# Altium PCB Delay.PcbDoc (part 2 of 2)
Units mm, origin at the board's own origin, x right, y up, seen from the top; angles counter-clockwise.
Board outline 111 x 71.6 mm, 4 copper layers (Top Layer, Mid Layer 1, Mid Layer 2, Bottom Layer), stack 1.57 mm thick; 118 components, 112 nets, 439 pads, 441 vias.
Unrouted connection lines stored in the file: 4.
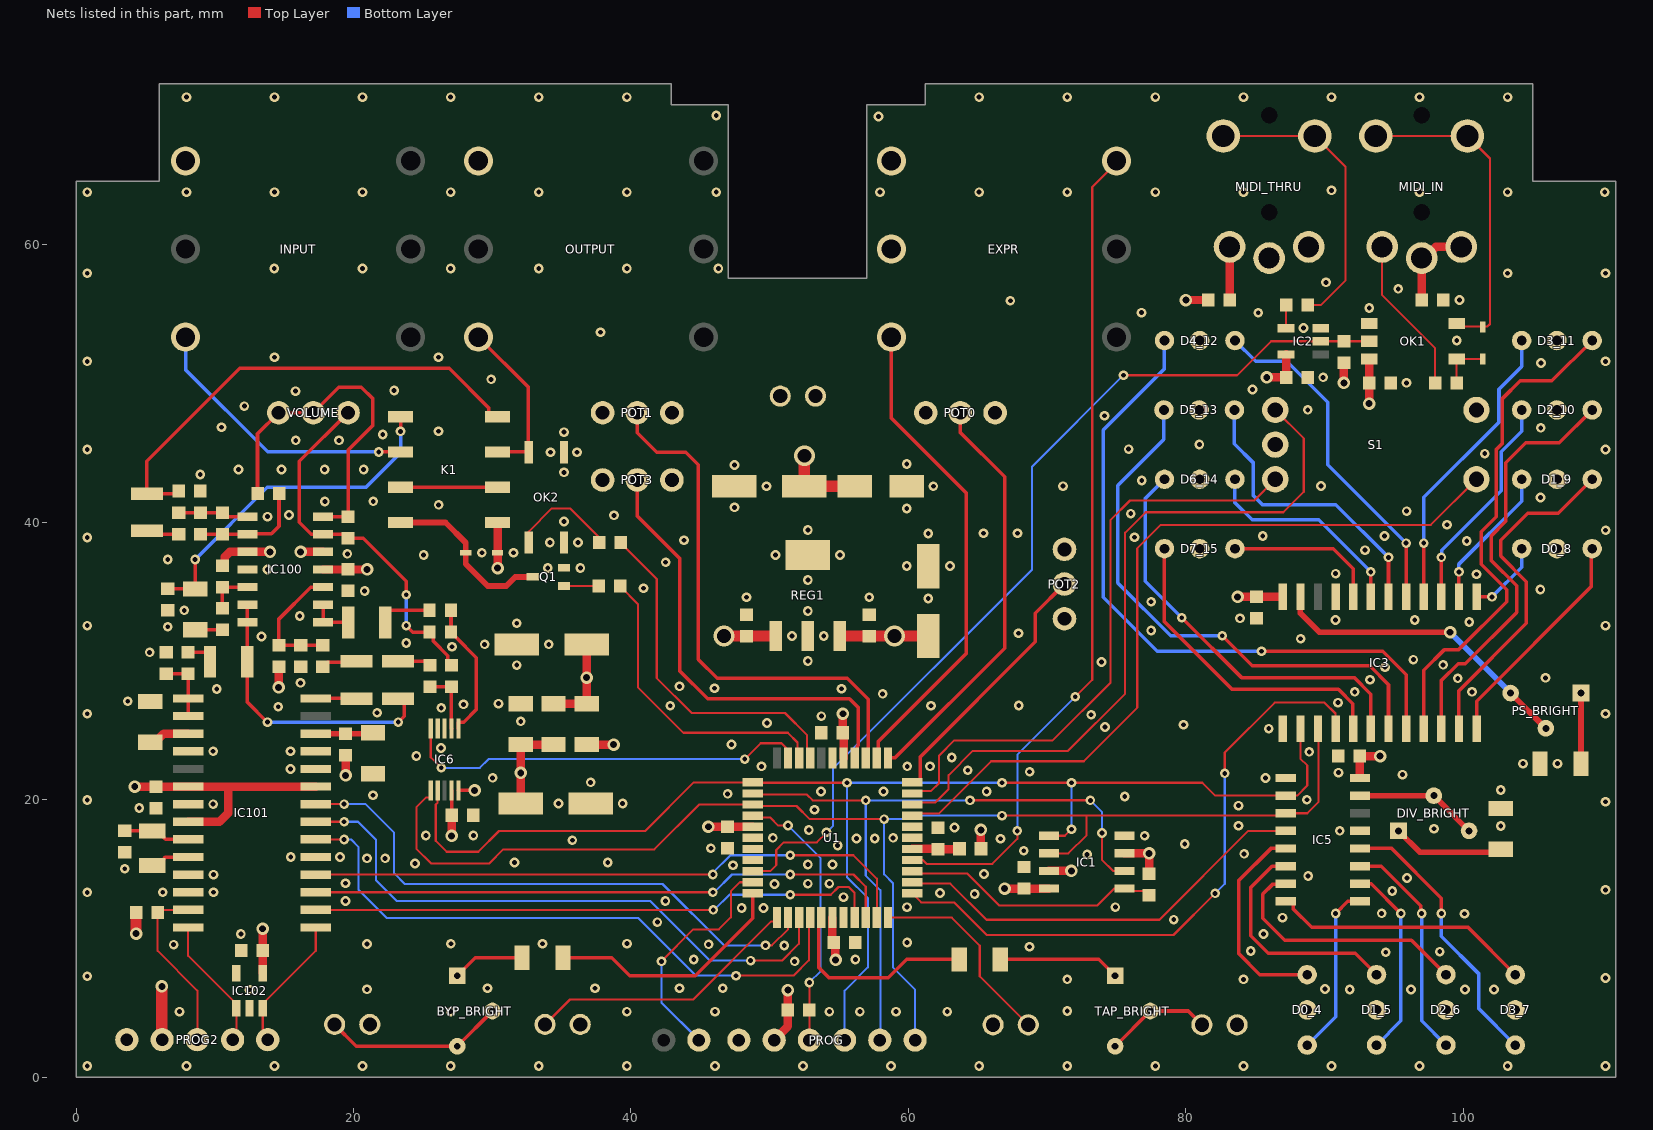
[diagram p4: the nets of this part, all layers, seen from the top]

## Via types
v1: diameter 0.7, hole 0.35, Top Layer to Bottom Layer, tented both sides, 354 vias
v2: diameter 0.7, hole 0.35, Top Layer to Bottom Layer, 54 vias
v3: diameter 0.9, hole 0.5, Top Layer to Bottom Layer, 30 vias
v4: diameter 1.5, hole 1, Top Layer to Bottom Layer, 3 vias

## Nets (pads, with @x,y where several pads share a name; then routed paths per layer and width w, separated by ;. In a path a pad name is that pad's centre, name@x,y a point inside that pad or via, vN(x,y) a via of type N, cw(c..) or ccw(c..) an arc to the next point about the centre after c; other vN are vias at no path point)
+3.3V: C3.1 C4.+ C5.1 C6.1 C7.1 C9.2 C11.1 C12.2 C13.1 C14.1 C105.1 C107.1 D0_4.2 D0_8.2 D1_5.2 D1_9.2 D2_6.2 D2_10.2 D3.1 D3_7.2 D3_11.2 D4_12.2 D5_13.2 D6_14.2 D7_15.2 EXPR.R IC1.3 IC1.7 IC1.8 IC2.5 IC3.24 IC5.16 IC101.6 IC101.8 IC101.23 IC102.4 K1.1 L1.2 OK1.6 POT0.3 POT1.3 POT2.3 POT3.3 PROG2.2 PROG.5 R4.2 R5.2 R7.1 R9.2 R104.2 R118.2 REG1.3 U1.5 U1.17 U1.38 | length 76.6
  Top Layer w0.152: v3@54.712,8.488 v3(54.75,8.45)
  Top Layer w0.508: R5.2@77.35,14.65 R5.2@77.35,14.65
  Top Layer w0.61: v3(4.225,20.95) C105.1@5.75,20.95 IC101.6@8.075,20.95 10.95,20.95 ; IC101.8@8.075,18.41 10.335,18.41 10.95,19.025 10.95,20.95 ; IC102.4@13.449,7.479 C107.1@13.449,9.125 v3(13.449,10.7) ; IC101.23@17.275,20.95 10.95,20.95 ; v3(19.425,21.75) R104.2@19.425,23.21 ; v3(30.386,36.7) D3.1@30.386,37.8 K1.1@30.386,39.99 ; v3(45.575,18.05) C6.1@46.95,18.05 U1.5@48.775,18.05 ; PROG.5@50.32,2.675 51.31,3.665 R4.2@51.31,4.85 v3@51.31,6.375 ; C7.1@54.525,9.7 U1.17@54.525,11.5 ; C7.1@54.625,9.7 54.712,9.613 v3@54.712,8.488 ; v3(55.275,26.2) 55.275,24.9 55.2,24.825 55.325,24.7 U1.38@55.325,23 ; L1.2@65.227,16.475 v3(65.227,17.825) ; v3@66.944,13.6 v3(66.937,13.594) 68.319,13.594 C9.2@68.325,13.6 68.33,13.595 IC1.8@70.125,13.595 ; IC1.7@70.125,14.865 v3(71.749,14.865) ; IC1.3@75.575,16.135 v3(77.349,16.135) R5.2@77.35,14.65 ; v3(80,56.025) R9.2@81.6,56.025 ; v3(83.729,34.625) C13.1@85.1,34.625 IC3.24@86.99,34.625 ; v3(85.835,50.45) C12.2@87.225,50.45 IC2.5@87.225,52.1 ; v3(91.395,50.05) 91.395,51.485 R7.1@91.41,51.5 ; IC5.16@92.55,21.565 C14.1@92.55,23.15 v3(94,23.15) ; v3(93.21,48.55) 93.21,50.035 C11.1@93.225,50.05 OK1.6@93.225,51.78
  Top Layer w0.813: v3(4.321,10.343) 4.321,11.871 R118.2@4.325,11.875 ; v3(6.175,6.55) 6.175,2.72 PROG2.2@6.195,2.7 ; REG1.3@55.05,31.8 C3.1@57.175,31.8 v4(59,31.8) C4.+@61.425,31.8
  other v3: 51.31,6.275
+9V: C1.+ C2.1 C15.1 D1.1 DC.1 IC6.9 R115.1 REG1.1 | length 14.8
  Top Layer w0.254: C15.1@27.063,18.885 IC6.9@27.063,20.675
  Top Layer w0.61: v3(27.063,17.4) C15.1@27.063,18.885 ; R115.1@36.804,23.975 v3(38.75,23.975)
  Top Layer w0.813: v4(46.7,31.8) C2.1@48.325,31.8 REG1.1@50.45,31.8 ; v4(52.5,44.8) C1.+@52.5,42.6 D1.1@56.125,42.6
A: IC6.1 R109.2 R110.1 | length 10
  Top Layer w0.254: R109.2@27.024,33.66 R110.1@27.024,32.085 27.024,32.06 27.347,31.737 28.85,30.234 28.85,26.5 27.945,25.595 27.586,25.595 27.563,25.572 IC6.1@27.563,25.125
AREF: U1.29
AVCC: C8.1 L1.1 U1.27 | length 3.4
  Top Layer w0.61: U1.27@60.275,16.45 62.1,16.45 C8.1@62.125,16.425 63.625,16.425 L1.1@63.675,16.475
B: IC6.2 R107.2 R108.1 | length 4.6
  Top Layer w0.254: R107.2@25.499,28.145 R108.1@27.059,28.145 27.059,25.129 IC6.2@27.063,25.125
BYP_FSW0: FSW.1 U1.12 | length 20
  Top Layer w0.152: FSW.1@33.8,3.8 35.6,5.6 44.475,5.6 50.086,11.211 50.301,11.211 50.525,11.435 U1.12@50.525,11.5
BYP_K0: R12.1 U1.42 | length 22.2
  Top Layer w0.152: R12.1@39.225,35.412 39.225,35.387 40.5,34.112 40.5,28.1 43.775,24.825 51.3,24.825 52,24.125 52,23.125 U1.42@52.125,23
BYP_LED0: R10.1 U1.11 | length 17.7
  Top Layer w0.254: R10.1@35.1,8.6 38.62,8.6 39.905,7.315 44.64,7.315 48.775,11.45 U1.11@48.775,13.25
BYP_OK0: R11.1 U1.41 | length 25.2
  Top Layer w0.152: R11.1@39.25,38.55 39.25,38.525 39.624,38.151 41.86,35.915 41.86,28.765 44.375,26.25 51.1,26.25 52.701,24.649 52.701,23.224 U1.41@52.925,23
DPOT_LE0: IC6.5 U1.43 | length 29.7
  Top Layer w0.152: IC6.5@25.563,25.125 25.563,23.061 v2(26.324,22.3) ; v2(48.203,22.925) 49.353,24.075 50.85,24.075 51.25,23.675 51.25,23.075 U1.43@51.325,23
  Bottom Layer w0.152: v2(26.324,22.3) 29.1,22.3 29.737,22.937 48.192,22.937 v2(48.203,22.925)
EEPR_LE0: IC1.1 R5.1 U1.25 | length 18.8
  Top Layer w0.152: U1.25@60.275,14.85 60.448,14.677 61.047,14.677 64.25,14.677 66.552,12.375 73.6,12.375 74.82,13.595 IC1.1@75.575,13.595 75.747,13.423 77.027,13.423 R5.1@77.35,13.1
EXPR0_P: EXPR.SN U1.26 | length 60.2
  Top Layer w0.152: U1.26@60.275,15.65 61.025,15.65 61.3,15.375 66.044,15.375 67.85,17.181 v2(67.85,17.755) ; v2(72.025,27.425) 73.25,28.65 73.25,64.175 75,65.925 EXPR.SN@75,65.95
  Bottom Layer w0.152: v2(67.85,17.755) 67.85,23.25 v2(72.025,27.425)
EXPR0_W: EXPR.T U1.35 | length 35.3
  Top Layer w0.254: U1.35@57.725,23 57.823,23.098 57.823,24.198 64.183,30.558 64.183,42.102 58.77,47.515 EXPR.T@58.77,53.35
FV1_P0: IC101.20 U1.15 | length 45
  Top Layer w0.152: IC101.20@17.275,17.14 v2(19.32,17.14) ; v2(47.577,7.315) 51.715,7.315 52.825,8.425 52.825,11.4 U1.15@52.925,11.5
  Bottom Layer w0.152: v2(19.32,17.14) 19.81,17.14 20.35,16.6 20.35,13.525 22.4,11.475 40.525,11.475 44.685,7.315 v2(47.577,7.315)
FV1_P1: IC101.21 U1.14 | length 43.1
  Top Layer w0.152: IC101.21@17.275,18.41 v2(19.32,18.41) ; v2(48.624,8.4) 50.885,8.4 52.1,9.615 52.1,11.475 U1.14@52.125,11.5
  Bottom Layer w0.152: v2(19.32,18.41) 20.315,18.41 21.625,17.1 21.625,14.18 23.105,12.7 41.4,12.7 45.7,8.4 v2(48.624,8.4)
FV1_P2: IC101.22 U1.13 | length 41.3
  Top Layer w0.152: IC101.22@17.275,19.68 v2(19.32,19.68) ; v2(49.695,9.5) 50.15,9.5 51.325,10.675 U1.13@51.325,11.5
  Bottom Layer w0.152: v2(19.32,19.68) 20.87,19.68 22.925,17.625 22.925,14.7 23.7,13.925 42.275,13.925 46.7,9.5 v2(49.695,9.5)
FV1_RST: IC101.13 PROG2.3 R118.1 | length 12.6
  Top Layer w0.152: IC101.13@8.075,12.06 6.06,12.06 R118.1@5.875,11.875 5.875,9.1 8.735,6.24 PROG2.3@8.735,2.7
FV1_S0: IC101.16 U1.19 | length 41.5
  Top Layer w0.152: IC101.16@17.275,12.06 v2(45.926,12.06) ; v2(51.485,13.15) 54.4,13.15 54.955,13.705 55.695,13.705 56.125,13.275 U1.19@56.125,11.5
  Bottom Layer w0.152: v2(45.926,12.06) 46.01,12.06 47.1,13.15 v2(51.485,13.15)
FV1_S1: IC101.17 U1.20 | length 42.8
  Top Layer w0.152: IC101.17@17.275,13.33 v2(45.9,13.33) ; v2(51.485,14.605) 56.045,14.605 56.925,13.725 U1.20@56.925,11.5
  Bottom Layer w0.152: v2(45.9,13.33) 46.005,13.33 47.28,14.605 v2(51.485,14.605)
FV1_S2: IC101.18 U1.21 | length 44.4
  Top Layer w0.152: IC101.18@17.28,14.605 v2(45.9,14.605) ; v2@51.65,16 56.025,16 57.725,14.3 U1.21@57.725,11.5
  Bottom Layer w0.152: v2(45.9,14.605) 45.9,14.725 47.175,16 v2(51.485,16)
GND: BYPLED.2 C1.- C2.2 C3.2 C4.- C5.2 C6.2 C7.2 C8.2 C9.1 C10.2 C11.2 C12.1 C13.2 C14.2 C15.2 C102.2 C103.1 C104.2 C105.2 C106.2 C107.2 C109.2 C115.- C116.- C117.2 D1.2 DC.2 EXPR.S FSW.2 IC1.4 IC2.3 IC3.1 IC3.21 IC5.1 IC5.13 IC6.3 IC6.4 IC100.11 IC101.4 IC101.7 IC101.11 IC101.12 IC101.19 IC101.24 IC101.25 IC102.2 IC102.5 INPUT.S MIDI_THRU.S OK1.4 OK2.3 OK2.4 OUTPUT.S POT0.1 POT1.1 POT2.1 POT3.1 PROG2.1 PROG.6 Q1.2 R13.1 R14.1 R100.1 R114.1 R117.1 REG1.2 S1.2 S1.5 TAPFSW.1 TAPLED.2 U1.6 U1.18 U1.28 U1.39
  other v1: 0.8,0.8 7.95,0.8 14.3,0.8 20.65,0.8 27,0.8 33.35,0.8 39.7,0.8 46.05,0.8 52.4,0.8 58.75,0.8 65.1,0.8 71.45,0.8 77.8,0.8 84.15,0.8 90.5,0.8 96.85,0.8 103.2,0.8 110.25,0.8 7.45,4.725 27,4.725 39.7,4.725 46.05,4.725 54.3,4.725 56.5,4.725 59.1,4.725 62.8,4.725 71.45,4.769 12.499,6.3 91.816,6.318 96.231,6.318 20.975,6.33 100.124,6.324 102.216,6.324 90.032,6.355 29.66,6.412 37.404,6.412 43.5,6.412 46.616,6.412 71.45,7.049 84.15,7.048 110.25,7.15 0.8,7.278 51.8,8.35 44.525,8.488 56.175,8.488 94.416,9.006 98.3,9.05 84.675,9.1 68.735,9.404 51.05,9.485 7.03,9.551 20.975,9.593 45.6,9.575 27.016,9.612 33.616,9.618 39.716,9.624 59.91,9.706 11.874,10.325 85.6,10.325 41.9,11.175 79.128,11.356 86.975,11.5 100.09,11.781 94.116,11.806 47.975,12.2 49.55,12.2 59.894,12.256 74.921,12.256 19.425,12.7 42.475,12.7 55.325,12.975 64.775,13.2 62.275,13.275 0.8,13.322 6.248,13.33 9.9,13.33 94.875,13.425 110.25,13.5 50.35,13.925 52.75,13.95 54.3,13.95 19.425,13.975 95.95,14.35 88.816,14.506 9.9,14.6 65.45,14.65 3.5,15.025 47.35,15.275 52.75,15.325 54.525,15.325 24.425,15.4 31.6,15.475 38.325,15.475 20.975,15.775 22.275,15.775 15.473,15.87 19.025,15.87 72.883,16.05 84.2,16.099 68.319,16.325 45.755,16.5 54.9,16.7 79.916,16.806 35.775,17.075 66.631,17.187 56.25,17.205 57.575,17.205 50.225,17.25 58.9,17.25 77.027,17.405 25.209,17.425 28.638,17.425 91.1,17.755 52.825,17.825 97.891,17.906 63.328,18 102.7,18.1 83.8,18.125 53.225,19.275 4.55,19.4 83.8,19.575 9.875,19.68 34.775,19.725 39.4,19.725 110.25,19.85 0.8,19.978 88.725,20 75.591,20.235 21.4,20.32 46.966,20.421 58.207,20.596 53.7,20.6 65.64,20.6 102.7,20.7 37.093,21.25 30.028,21.577 85.741,21.571 95.616,21.806 91,21.95 68.741,22.012 64.275,22.125 15.448,22.22 49.411,22.406 59.916,22.406 61.55,22.406 104.3,22.6 106.8,22.6 63.125,23.05 24.525,23.15 88.9,23.45 9.875,23.49 15.448,23.49 26.309,23.725 47.25,23.975 85.975,25.125 74.175,25.25 79.825,25.4 49.8,25.525 32.05,25.65 53.725,26.025 73.175,26.125 0.8,26.2 110.25,26.2 21.7,26.275 26.324,26.625 14.575,26.7 42.825,26.775 61.623,26.78 67.957,26.786 27.925,26.875 30.45,26.925 90.975,27 3.725,27.095 58.141,27.634 92.175,27.775 100.625,27.775 10.134,27.982 55.175,28 46.025,28.04 43.5,28.175 16.175,28.425 93.275,28.65 99.6,28.75 105.925,28.785 94.35,29.55 31.761,29.7 98.55,29.725 73.925,29.925 52.75,30 96.4,30.1 5.3,30.625 27.1,31.025 29.45,31.2 34.075,31.2 23.8,31.3 88.276,31.606 13.355,31.764 51.6,31.8 53.9,31.8 67.941,32.006 77.5,32.2 6.6,32.475 0.8,32.55 110.25,32.55 31.761,32.725 100.431,32.806 90.786,32.95 96.5,32.95 83.904,33.075 16.117,33.243 52.75,33.6 7.798,33.65 77.5,34.275 61.425,34.5 48.325,34.6 57.175,34.6 20.8,35.05 105.556,35.156 40.9,35.25 52.75,35.843 100.96,36.25 90.8,36.3 13.788,36.6 36.35,36.7 34,36.712 59.875,36.843 63,36.843 42.5,37.125 6.6,37.32 25.05,37.65 50.425,37.65 55.075,37.65 19.55,37.725 29.25,37.8 31.525,37.8 92.916,37.991 34.15,38.55 36.175,38.55 100.25,38.65 43.816,38.706 0.8,38.9 76.3,38.925 94.316,39.006 85.541,39.012 61.425,39.2 65.416,39.206 67.866,39.206 110.266,39.431 52.75,39.45 98.822,39.822 35.17,40.065 13.788,40.41 38.775,40.5 15.35,40.525 76.024,40.625 95.916,40.806 59.875,41 47.457,41.075 26.132,41.256 17.932,41.506 21.416,41.512 105.572,41.781 49.775,42.6 61.8,42.6 71.151,42.606 89.741,42.612 76.816,43.006 8.95,43.45 35.17,43.6 20.725,43.806 11.7,43.812 14.8,43.812 17.916,43.812 47.457,44.125 59.875,44.2 101.55,44.95 34.2,45.05 36.1,45.05 0.8,45.25 110.25,45.25 75.875,45.275 80.976,45.606 15.834,45.906 18.95,45.906 22.1,46.325 35.17,46.5 26.116,46.562 105.588,46.806 10.475,46.85 74.132,47.681 88.791,48.106 12.125,48.375 15.818,49.456 22.925,49.5 84.8,49.575 95.9,50.05 29.916,50.306 89.9,50.45 105.604,51.478 0.8,51.6 110.25,51.6 14.3,51.9 26.116,51.9 99.526,53.106 37.8,53.7 88.475,54 76.807,55.112 85.216,55.106 93.225,55.45 67.35,55.975 99.731,56.025 95.316,56.831 90.1,57.3 0.8,57.95 103.2,57.95 110.25,57.95 14.283,58.3 20.65,58.3 27,58.3 33.35,58.3 39.7,58.3 46.3,58.3 0.8,63.8 7.95,63.8 14.3,63.8 20.65,63.8 27,63.8 33.35,63.8 39.7,63.8 46.15,63.8 57.95,63.8 65.1,63.8 71.45,63.8 77.8,63.8 84.15,63.8 96.85,63.8 103.2,63.8 110.2,63.8 90.5,63.928 57.85,69.256 46.15,69.328 7.95,70.65 14.3,70.65 20.65,70.65 27,70.65 33.35,70.65 39.7,70.65 65.1,70.65 71.45,70.65 77.8,70.65 84.15,70.65 90.5,70.65 96.85,70.65 103.2,70.65
INPUT: INPUT.T K1.6 | length 20.8
  Top Layer w0.254: v2@21.612,45.074 21.812,44.874 21.812,45.07 K1.6@23.386,45.07
  Bottom Layer w0.254: INPUT.T@7.885,53.35 7.885,50.993 13.804,45.074 v2(21.812,45.074)
MISO: IC1.2 PROG.2 U1.2 | length 48.9
  Top Layer w0.152: U1.2@48.775,20.45 48.85,20.375 52.679,20.375 53.098,19.957 v2(56.925,19.957) ; v2(64.446,19.957) 64.451,19.962 73.111,19.962 v2(73.116,19.957) ; v2(73.95,17.599) 73.95,15.675 74.76,14.865 IC1.2@75.575,14.865
  Bottom Layer w0.152: PROG.2@57.94,2.675 57.975,2.71 57.975,13.475 56.925,14.525 v2(56.925,19.957) v2(64.446,19.957) ; v2(73.116,19.957) 73.95,19.123 v2(73.95,17.599)
MOSI: IC1.5 IC3.2 IC5.2 IC6.7 PROG.3 U1.1 | length 98.7
  Top Layer w0.152: IC6.7@26.063,20.675 26.063,19.794 25.925,19.656 25.925,17.038 26.713,16.25 28.987,16.25 30.487,17.75 41.025,17.75 44.525,21.25 U1.1@48.775,21.25 48.8,21.225 v2(55.575,21.225) ; v2(66.752,21.225) v2(71.749,21.225) 81.182,21.225 82.112,20.295 IC5.2@87.2,20.295 88.02,20.295 88.75,21.025 88.75,22.475 88.26,22.965 IC3.2@88.26,25.125 ; IC1.5@70.125,17.405 71.281,17.405 v2(71.749,17.874) v2@71.704,17.874
  Bottom Layer w0.152: PROG.3@55.4,2.675 55.4,6.237 57.075,7.912 57.075,12.923 55.575,14.423 v2@55.575,21.225 ; v2@55.68,21.245 55.7,21.225 v2@66.552,21.225 ; v2(71.749,17.874) v2(71.749,21.225)
NetBYP_BRIGHT_1: BYP_BRIGHT.1 R10.2 | length 5.2
  Top Layer w0.254: BYP_BRIGHT.1@27.473,7.309 28.764,8.6 R10.2@32.15,8.6
NetBYP_BRIGHT_2: BYP_BRIGHT.2 BYP_BRIGHT.3 BYPLED.1 | length 13.1
  Top Layer w0.254: BYPLED.1@18.63,3.8 20.201,2.229 BYP_BRIGHT.3@27.473,2.229 BYP_BRIGHT.2@30.013,4.769
NetC10_1: C10.1 MIDI_IN.S | length 6.2
  Top Layer w0.61: C10.1@97,56.025 MIDI_IN.S@97,59.05 97.212,59.05 98.012,59.85 MIDI_IN.S@99.85,59.85
NetC100_1: C100.1 R101.1 | length 2
  Top Layer w0.254: C100.1@8.578,32.25 R101.1@10.55,32.25
NetC101_1: C101.1 R103.1 | length 2.1
  Top Layer w0.254: R103.1@8.075,30.625 9.327,30.625 9.65,30.302 C101.1@9.65,29.95
NetC101_2: C101.2 C110.2 IC100.13 IC100.14 | length 20.7
  Top Layer w0.254: IC100.13@12.35,34.06 IC100.14@12.35,32.79 C101.2@12.35,29.95 12.35,27.034 v2(13.788,25.595) ; C110.2@23.2,27.285 23.327,27.285 23.65,26.962 23.65,26.02 v2(23.225,25.595)
  Bottom Layer w0.254: v2(13.788,25.595) v2(23.225,25.595) v2@23.252,25.595
NetC102_1: C102.1 IC101.1 IC101.2 R103.2 | length 4.6
  Top Layer w0.254: C102.1@6.5,29.075 R103.2@8.075,29.075 IC101.1@8.075,27.3 IC101.2@8.075,26.03
NetC103_2: C103.2 IC101.3 | length 3
  Top Layer w0.61: C103.2@5.35,24.135 5.675,24.135 6.3,24.76 IC101.3@8.075,24.76
NetC104_1: C104.1 IC101.9 Y100.1 | length 4.9
  Top Layer w0.254: C104.1@3.5,17.75 Y100.1@5.475,17.75 5.875,17.75 6.298,17.327 6.298,17.289 6.447,17.14 IC101.9@8.075,17.14
NetC106_1: C106.1 IC101.26 R104.1 | length 4.1
  Top Layer w0.406: IC101.26@17.275,24.76 R104.1@19.425,24.76 C106.1@21.4,24.76
NetC108_1: C108.1 R105.1 | length 2.6
  Top Layer w0.254: R105.1@17.773,29.6 18.096,29.923 20.163,29.923 C108.1@20.225,29.985
NetC108_2: C108.2 IC101.28 | length 3
  Top Layer w0.254: IC101.28@17.275,27.3 20.21,27.3 C108.2@20.225,27.285
NetC109_1: C109.1 IC100.3 R105.2 R106.1 | length 9.2
  Top Layer w0.254: R105.2@17.773,31.15 C109.1@16.198,31.15 R106.1@14.623,31.15 14.623,33.03 16.923,35.33 IC100.3@17.8,35.33
NetC110_1: C110.1 R107.1 | length 2.4
  Top Layer w0.254: C110.1@23.2,29.985 25.209,29.985 R107.1@25.499,29.695
NetC111_1: C111.1 R109.1 | length 3.9
  Top Layer w0.254: C111.1@22.3,32.79 22.3,33.337 22.623,33.66 R109.1@25.474,33.66
NetC111_2: C111.2 IC100.1 IC100.2 | length 3.1
  Top Layer w0.254: IC100.2@17.8,34.06 IC100.1@17.8,32.79 C111.2@19.6,32.79
NetC112_1: C112.1 IC100.7 R111.1 VOLUME.2 VOLUME.3 | length 25.4
  Top Layer w0.254: R111.1@13.075,42.075 13.075,46.375 VOLUME.3@14.6,47.9 VOLUME.2@17.1,47.9 18.94,49.74 20.56,49.74 21.4,48.9 21.4,47 19.6,45.2 C112.1@19.6,40.41 IC100.7@17.8,40.41
NetC112_2: C112.2 IC100.6 R108.2 R110.2 VOLUME.1 | length 26.9
  Top Layer w0.254: VOLUME.1@19.6,47.9 16.091,44.391 16.091,40.009 16.96,39.14 IC100.6@17.8,39.14 19.32,39.14 C112.2@19.6,38.86 20.7,38.86 23.8,35.76 v2(23.8,34.775) ; v2(23.8,32.55) 24.265,32.085 R110.2@25.474,32.085 25.76,31.799 25.76,31.415 26.798,30.377 26.798,29.956 R108.2@27.059,29.695
  Bottom Layer w0.254: v2(23.8,32.55) v2(23.8,34.775)
NetC113_1: C113.1 IC100.8 R112.2 R113.1 | length 5.1
  Top Layer w0.254: R113.1@7.4,40.7 R112.2@8.975,40.7 C113.1@10.55,40.7 10.84,40.41 IC100.8@12.35,40.41
NetC113_2: C113.2 IC100.9 R111.2 R112.1 | length 8.2
  Top Layer w0.254: R112.1@8.975,39.15 C113.2@10.55,39.15 10.56,39.14 IC100.9@12.35,39.14 12.392,39.182 14.082,39.182 14.625,39.725 R111.2@14.625,42.075
NetC114_2: C114.2 R113.2 | length 2.4
  Top Layer w0.254: C114.2@5.1,39.375 5.325,39.15 R113.2@7.4,39.15
NetD2_1: D2.1 OK1.1 R6.2 | length 3.6
  Top Layer w0.152: R6.2@99.525,50.05 OK1.1@99.525,51.78 99.53,51.775 D2.1@101.4,51.775
NetD2_2: D2.2 MIDI_IN.T OK1.3 | length 23.4
  Top Layer w0.152: MIDI_IN.T@93.7,67.85 MIDI_IN.T@100.3,67.85 101.925,66.225 101.925,54.3 101.739,54.114 99.731,54.114 OK1.3@99.525,54.32
NetD3_2: D3.2 K1.8 Q1.3 | length 12.6
  Top Layer w0.413: K1.8@23.386,39.99 26.622,39.99 28.086,38.526 D3.2@28.086,37.8 28.086,37.001 29.675,35.412 31.004,35.412 31.654,36.062 Q1.3@32.92,36.062
NetDIV_BRIGHT_1: DIV_BRIGHT.1 R14.2 | length 8.1
  Top Layer w0.406: DIV_BRIGHT.1@95.335,17.755 96.865,16.225 102.5,16.225 R14.2@102.7,16.425
NetDIV_BRIGHT_2: DIV_BRIGHT.2 DIV_BRIGHT.3 IC5.15 | length 8.9
  Top Layer w0.406: IC5.15@92.55,20.295 DIV_BRIGHT.2@97.875,20.295 DIV_BRIGHT.3@100.415,17.755
NetIC2_4: IC2.4 R8.1 | length 1.7
  Top Layer w0.152: IC2.4@87.225,54 R8.1@87.225,55.675
NetIC3_23: IC3.23 PS_BRIGHT.2 PS_BRIGHT.3 | length 22.3
  Top Layer w0.406: IC3.23@88.26,34.625 88.26,33.44 89.625,32.075 v3(99.05,32.075) ; PS_BRIGHT.3@103.41,27.69 PS_BRIGHT.2@105.95,25.15
  Bottom Layer w0.406: v3(99.05,32.075) 103.41,27.715 PS_BRIGHT.3@103.41,27.69
NetIC100_12: IC100.12 R101.2 R102.1 | length 3.3
  Top Layer w0.254: R101.2@10.55,33.8 R102.1@10.55,35.33 IC100.12@12.35,35.33
NetIC101_10: IC101.10 Y100.2 | length 2.9
  Top Layer w0.254: Y100.2@5.475,15.25 5.875,15.25 6.298,15.673 6.298,15.721 6.447,15.87 IC101.10@8.075,15.87
NetK1_2: K1.2 K1.7 | length 7
  Top Layer w0.254: K1.7@23.386,42.53 K1.2@30.386,42.53
NetMIDI_IN_R: MIDI_IN.R R6.1 | length 10.6
  Top Layer w0.152: MIDI_IN.R@94.15,59.1 94.15,56.374 97.975,52.549 R6.1@97.975,50.05
NetMIDI_THRU_R: MIDI_THRU.R R9.1 | length 3.8
  Top Layer w0.61: R9.1@83.15,56.025 MIDI_THRU.R@83.15,59.85
NetMIDI_THRU_T: MIDI_THRU.T R8.2 | length 21.4
  Top Layer w0.152: MIDI_THRU.T@82.7,67.85 MIDI_THRU.T@89.3,67.85 91.5,65.65 91.5,57.425 89.75,55.675 R8.2@88.775,55.675
NetOK2_1: OK2.1 R11.2 | length 7.8
  Top Layer w0.152: OK2.1@32.63,38.55 32.63,39.33 34.3,41 35.6,41 37.7,38.9 R11.2@37.7,38.55
NetPS_BRIGHT_1: PS_BRIGHT.1 R13.2 | length 5.1
  Top Layer w0.406: R13.2@108.49,22.6 PS_BRIGHT.1@108.49,27.69
NetQ1_1: Q1.1 R12.2 | length 2.5
  Top Layer w0.152: Q1.1@35.17,35.412 R12.2@37.675,35.412
NetR15_2: R15.2 TAP_BRIGHT.1 | length 8.8
  Top Layer w0.254: R15.2@66.615,8.488 73.721,8.488 TAP_BRIGHT.1@74.9,7.309
NetTAP_BRIGHT_2: TAP_BRIGHT.2 TAP_BRIGHT.3 TAPLED.1 | length 7.7
  Top Layer w0.254: TAP_BRIGHT.3@74.9,2.229 TAP_BRIGHT.2@77.44,4.769 80.161,4.769 TAPLED.1@81.155,3.775
OUTPUT: K1.3 OK2.6 OUTPUT.T | length 12
  Top Layer w0.254: OUTPUT.T@29,53.35 32.61,49.74 32.61,45.07 K1.3@30.386,45.07
P0_W: POT0.2 U1.34 | length 30
  Top Layer w0.254: U1.34@58.525,23 58.567,23.042 59.057,23.042 66.944,30.929 66.944,43.275 63.75,46.469 POT0.2@63.75,47.9
P1_W: POT1.2 U1.36 | length 38.6
  Top Layer w0.254: POT1.2@40.45,47.9 40.45,46.46 41.86,45.05 43.95,45.05 44.85,44.15 44.85,30.112 46.212,28.75 55.589,28.75 57.1,27.239 57.1,23.772 57.098,23.77 57.098,23.173 U1.36@56.925,23
P2_W: POT2.2 U1.33 | length 19.1
  Top Layer w0.254: U1.33@60.275,21.25 60.677,21.25 60.85,21.423 60.85,23.085 69.15,31.385 69.15,33.45 POT2.2@71.25,35.55
P3_W: POT3.2 U1.37 | length 32.7
  Top Layer w0.254: POT3.2@40.45,43.05 40.45,40.45 43.5,37.4 43.5,29.3 45.525,27.275 55.75,27.275 56.375,26.65 56.375,23.925 56.298,23.848 56.298,23.173 U1.37@56.125,23
PS_0: D0_8.1 IC3.12 | length 16.4
  Top Layer w0.254: IC3.12@100.96,25.125 100.96,27.11 109.218,35.368 109.218,38.028 D0_8.1@109.29,38.1
PS_1: D1_9.1 IC3.11 | length 24.8
  Top Layer w0.254: IC3.11@99.69,25.125 99.69,27.865 104.55,32.725 104.55,35.725 102.7,37.575 102.7,38.7 104.65,40.65 106.84,40.65 D1_9.1@109.29,43.1
PS_2: D2_10.1 IC3.10 | length 30.7
  Top Layer w0.254: IC3.10@98.42,25.125 98.42,28.595 99.625,29.8 100.15,29.8 103.85,33.5 103.85,35.425 102,37.275 102,39 103.075,40.075 103.075,44.3 104.5,45.725 106.915,45.725 D2_10.1@109.29,48.1
PS_3: D3_11.1 IC3.9 | length 36.5
  Top Layer w0.254: IC3.9@97.15,25.125 97.15,29.325 98.65,30.825 99.675,30.825 103.125,34.275 103.125,35.15 101.3,36.975 101.3,39.325 102.375,40.4 102.375,45.25 102.825,45.7 102.825,48.925 104.1,50.2 106.39,50.2 D3_11.1@109.29,53.1
PS_4: D4_12.1 IC3.8 | length 48.4
  Top Layer w0.254: v2(85.448,30.7) 94.2,30.7 95.88,29.02 IC3.8@95.88,25.125
  Bottom Layer w0.254: D4_12.1@78.46,53.1 78.46,51.06 74.05,46.65 74.05,34.6 77.95,30.7 v2(85.448,30.7)
PS_5: D5_13.1 IC3.7 | length 39.6
  Top Layer w0.254: v2(82.625,31.825) 84.8,29.65 93.25,29.65 94.61,28.29 IC3.7@94.61,25.125
  Bottom Layer w0.254: D5_13.1@78.42,48.1 78.42,45.97 75.1,42.65 75.1,35.625 78.9,31.825 v2(82.625,31.825)
PS_6: D6_14.1 IC3.6 | length 30
  Top Layer w0.254: v2(79.704,33.121) 84.015,28.81 92.145,28.81 93.34,27.615 IC3.6@93.34,25.125
  Bottom Layer w0.254: D6_14.1@78.46,43.1 77.075,41.715 77.075,35.75 v2(79.704,33.121)
PS_7: D7_15.1 IC3.5 | length 23.1
  Top Layer w0.254: D7_15.1@78.46,38.1 78.46,32.84 83.325,27.975 91,27.975 92.045,26.93 92.045,25.15 IC3.5@92.07,25.125
PS_8: D7_15.3 IC3.20 | length 11.2
  Top Layer w0.254: D7_15.3@83.54,38.1 90.625,38.1 92.07,36.655 IC3.20@92.07,34.625
PS_9: D6_14.3 IC3.19 | length 15.3
  Top Layer w0.254: v2(93.325,36.425) 93.34,36.41 IC3.19@93.34,34.625
  Bottom Layer w0.254: D6_14.3@83.54,43.1 83.54,41.41 84.775,40.175 89.575,40.175 v2(93.325,36.425)
PS_10: D5_13.3 IC3.18 | length 21.2
  Top Layer w0.254: IC3.18@94.61,34.625 v2(94.61,37.475)
  Bottom Layer w0.254: D5_13.3@83.5,48.1 83.5,45.65 84.875,44.275 84.875,41.925 85.525,41.275 90.81,41.275 v2(94.61,37.475)
PS_11: D4_12.3 IC3.17 | length 24.9
  Top Layer w0.254: IC3.17@95.88,34.625 v2(95.88,38.5)
  Bottom Layer w0.254: D4_12.3@83.54,53.1 85.04,51.6 87.275,51.6 90.225,48.65 90.225,44.155 v2(95.88,38.5)
PS_12: D3_11.3 IC3.16 | length 21.4
  Top Layer w0.254: IC3.16@97.15,34.625 v2(97.15,38.5)
  Bottom Layer w0.254: v2(97.15,38.5) 97.15,41.8 102.575,47.225 102.575,49.6 104.21,51.235 D3_11.3@104.21,53.1
PS_13: D2_10.3 IC3.15 | length 15.9
  Top Layer w0.254: IC3.15@98.42,34.625 v2(98.42,37.475)
  Bottom Layer w0.254: v2(98.42,37.475) 98.435,37.49 98.435,37.985 102.725,42.275 102.725,45.075 104.21,46.56 D2_10.3@104.21,48.1
PS_14: D1_9.3 IC3.14 | length 10.3
  Top Layer w0.254: IC3.14@99.69,34.625 v2(99.69,36.425)
  Bottom Layer w0.254: v2(99.69,36.425) 99.69,36.99 104.21,41.51 D1_9.3@104.21,43.1
PS_15: D0_8.3 IC3.13 | length 5.5
  Top Layer w0.254: IC3.13@100.96,34.625 v2(102.07,34.625)
  Bottom Layer w0.254: v2(102.07,34.625) 104.21,36.765 D0_8.3@104.21,38.1
PS_ENC_A: S1.1 U1.32 | length 43.6
  Top Layer w0.152: U1.32@60.275,20.45 60.44,20.615 61.615,20.615 62.2,21.2 62.2,23.175 63.3,24.275 70.4,24.275 74.575,28.45 74.575,40.175 75.975,41.575 84.925,41.575 S1.1@86.45,43.1
PS_ENC_B: S1.3 U1.31 | length 51.7
  Top Layer w0.152: U1.31@60.275,19.65 60.425,19.8 61.925,19.8 62.9,20.775 62.9,21.775 64.65,23.525 71.5,23.525 75.625,27.65 75.625,39.25 77.1,40.725 87.025,40.725 88.5,42.2 88.5,46.05 S1.3@86.45,48.1
PS_ENC_SW: S1.4 U1.30 | length 57.5
  Top Layer w0.152: U1.30@60.275,18.85 60.425,19 62.185,19 65.96,22.775 72.64,22.775 76.5,26.635 76.5,38.125 78.191,39.816 97.666,39.816 S1.4@100.95,43.1
PS_LE0: IC3.4 U1.23 | length 45.7
  Top Layer w0.152: U1.23@60.275,13.25 60.925,12.6 63.29,12.6 65.64,10.25 79.112,10.25 v2(82.112,13.25) ; v2(82.808,21.9) 82.808,23.4 86.408,27 90,27 90.786,26.214 90.786,25.139 IC3.4@90.8,25.125
  Bottom Layer w0.152: v2(82.112,13.25) 82.808,13.946 v2(82.808,21.9)
RESET: PROG.4 R4.1 U1.4 | length 19.8
  Top Layer w0.152: U1.4@48.775,18.85 48.9,18.725 50.025,18.725 50.615,18.135 v2(51.325,18.135) ; PROG.4@52.86,2.675 R4.1@52.86,4.85 v2(52.86,6.83)
  Bottom Layer w0.152: v2(51.325,18.135) 53.675,15.785 53.675,7.645 v2(52.86,6.83) v2@52.75,6.94
RETURN: C114.1 K1.4 R114.2 | length 34.4
  Top Layer w0.254: R114.2@7.4,42.25 7.225,42.075 C114.1@5.1,42.075 5.1,44.4 11.8,51.1 26.896,51.1 29.754,48.242 29.754,47.883 30.027,47.61 K1.4@30.386,47.61
RX0: IC2.2 OK1.5 R7.2 U1.9 | length 67.7
  Top Layer w0.152: U1.9@48.775,14.85 50.04,14.85 50.475,15.285 50.475,16.375 51.025,16.925 53.398,16.925 v2@54.1,17.627 ; v2(75.5,50.6) 83.7,50.6 86.15,53.05 IC2.2@89.725,53.05 R7.2@91.41,53.05 OK1.5@93.225,53.05
  Bottom Layer w0.152: v2(54.1,17.652) v2(54.1,17.652) 54.55,18.1 54.55,22.225 68.919,36.594 68.919,44.019 v2(75.5,50.6)
SCK: IC1.6 IC3.3 IC5.3 IC6.6 PROG.1 U1.3 | length 100
  Top Layer w0.152: IC6.6@25.563,20.675 25.563,20.245 25.489,20.171 25.246,20.171 24.525,19.45 24.525,16.475 25.6,15.4 29.775,15.4 30.8,16.425 41.675,16.425 44.9,19.65 U1.3@48.775,19.65 48.878,19.547 51.928,19.547 52.876,18.599 v2(58.25,18.599) ; v2@66.552,18.85 v2(66.752,18.85) 72.85,18.85 ; IC1.6@70.125,16.135 71.535,16.135 72.85,17.45 72.85,18.85 ; IC3.3@89.53,25.125 89.575,25.08 89.575,19.85 88.75,19.025 IC5.3@87.2,19.025 87.025,18.85 72.85,18.85
  Bottom Layer w0.152: PROG.1@60.48,2.675 60.48,6.308 58.875,7.913 58.875,14 58.25,14.625 v2(58.25,18.599) 60.17,18.599 60.421,18.85 v2(66.752,18.85)
SCL: IC101.14 IC102.1 PROG2.4 | length 9.6
  Top Layer w0.152: IC101.14@8.075,10.79 8.075,8.753 11.549,5.279 IC102.1@11.549,4.979 11.549,2.974 PROG2.4@11.275,2.7
SDA: IC101.15 IC102.3 PROG2.5 | length 9.8
  Top Layer w0.152: PROG2.5@13.815,2.72 13.815,2.912 13.449,3.278 IC102.3@13.449,4.979 13.449,5.279 17.275,9.105 IC101.15@17.275,10.79
SEND: C100.2 K1.5 R100.2 | length 24.6
  Top Layer w0.254: R100.2@6.6,35.2 C100.2@8.578,35.2 v2(8.578,37.32) ; v2(23.386,46.556) K1.5@23.386,47.61
  Bottom Layer w0.254: v2(8.578,37.32) 13.788,42.53 20.9,42.53 23.386,45.016 v2@23.386,46.431
TAP_0: D0_4.1 IC5.5 | length 15.2
  Top Layer w0.254: IC5.5@87.2,16.485 86.135,16.485 83.8,14.15 83.8,8.925 85.335,7.39 D0_4.1@88.75,7.39
TAP_1: D1_5.1 IC5.6 | length 16.9
  Top Layer w0.254: IC5.6@87.2,15.215 86.215,15.215 84.675,13.675 84.675,10.188 85.938,8.925 92.215,8.925 D1_5.1@93.75,7.39
TAP_2: D2_6.1 IC5.7 | length 18.6
  Top Layer w0.254: IC5.7@87.2,13.945 87.148,13.893 86.243,13.893 85.55,13.2 85.55,11.45 87.125,9.875 96.265,9.875 D2_6.1@98.75,7.39
TAP_3: D3_7.1 IC5.8 | length 18.9
  Top Layer w0.254: IC5.8@87.2,12.675 87.555,12.675 87.728,12.502 87.728,12.147 89.075,10.8 100.34,10.8 D3_7.1@103.75,7.39
TAP_4: D0_4.3 IC5.9 | length 12.5
  Top Layer w0.254: v2(90.8,11.8) 91.675,12.675 IC5.9@92.55,12.675
  Bottom Layer w0.254: D0_4.3@88.75,2.31 90.8,4.36 v2(90.8,11.8)
TAP_5: D1_5.3 IC5.10 | length 14.1
  Top Layer w0.254: IC5.10@92.55,13.945 93.355,13.945 v2(95.5,11.8)
  Bottom Layer w0.254: D1_5.3@93.75,2.31 95.5,4.06 v2(95.5,11.8)
TAP_6: D2_6.3 IC5.11 | length 16.4
  Top Layer w0.254: IC5.11@92.55,15.215 94.085,15.215 96.937,12.363 96.937,11.863 v2(97,11.8)
  Bottom Layer w0.254: v2(97,11.8) 97,4.06 D2_6.3@98.75,2.31
TAP_7: D3_7.3 IC5.12 | length 20.2
  Top Layer w0.254: IC5.12@92.55,16.485 94.84,16.485 98.42,12.905 v2(98.42,11.8)
  Bottom Layer w0.254: v2(98.42,11.8) 98.42,10.155 101.1,7.475 101.1,4.96 D3_7.3@103.75,2.31
TAP_FSW0: TAPFSW.2 U1.22 | length 14.6
  Top Layer w0.152: U1.22@58.525,11.5 63.125,11.5 65.14,9.485 65.14,7.275 TAPFSW.2@68.64,3.775
TAP_LE0: IC5.4 U1.24 | length 30.7
  Top Layer w0.152: U1.24@60.275,14.05 60.375,13.95 63.025,13.95 65.625,11.35 78.1,11.35 84.505,17.755 IC5.4@87.2,17.755
TAP_LED0: R15.1 U1.16 | length 14.6
  Top Layer w0.254: U1.16@53.725,11.5 53.552,11.327 53.552,7.886 54.27,7.167 58.557,7.167 59.878,8.488 R15.1@63.665,8.488
TX0: U1.10 UART.1 | length 16.8
  Top Layer w0.152: v2(42.2,8.35) 44.5,10.65 46.325,10.65 47.2,11.525 47.2,13.4 47.85,14.05 U1.10@48.775,14.05
  Bottom Layer w0.152: v2(42.2,8.35) 42.2,5.375 UART.1@44.9,2.675
Vb: C116.+ IC6.10 IC100.5 IC100.10 R102.2 R106.2 R116.2 R117.2 | length 15
  Top Layer w0.152: v3(14.6,28.095) v3@14.623,28.118
  Top Layer w0.254: IC6.10@27.563,20.675 v3(28.725,20.675)
  Top Layer w0.601: v3(16.175,37.87) IC100.5@17.8,37.87
  Top Layer w0.61: R102.2@10.55,36.88 10.575,36.88 10.72,37.025 10.72,37.513 11.077,37.87 v3(13.975,37.87) ; v3@14.623,28.118 R106.2@14.623,29.6 ; C116.+@32.05,19.725 R117.2@32.05,23.975 R116.2@34.42,23.975
  other v3: 32.05,21.94
Vr: C115.+ C117.1 IC100.4 R115.2 R116.1 | length 9.8
  Top Layer w0.601: IC100.4@17.8,36.6 C117.1@19.6,36.6 v3(20.975,36.6)
  Top Layer w0.61: R116.1@34.42,26.925 R115.2@36.804,26.925 v3(36.804,28.808) C115.+@36.804,31.2
XTAL1: U1.8
XTAL2: U1.7
pads on no net: EXPR.RN EXPR.TN IC2.1 IC3.22 IC5.14 IC6.8 IC101.5 IC101.27 INPUT.R INPUT.RN INPUT.SN INPUT.TN MIDI_IN. MIDI_THRU. OUTPUT.R OUTPUT.RN OUTPUT.SN OUTPUT.TN U1.40 U1.44 UART.2

## Polygon pours and split planes (outlines as drawn)
+3.3V on Mid Layer 2 "+3.3V_L03_P061" (solid, pour order 61): 2.5,57.4 56.991,57.4 56.991,63 102.114,63 102.114,55.443 108.175,55.443 108.175,3.648 86.501,3.648 86.501,5.575 2.5,5.575
Vb on Mid Layer 2 "Mid Layer 2-Vb" (solid, pour order 37): 23.7,18.389 33.27,18.389 33.27,28.65 18.437,28.65 18.437,38.86 11.375,38.86 11.375,24.7 23.7,24.7
Vr on Mid Layer 2 "Mid Layer 2-Vr" (solid, pour order 41): 33.27,25.694 38.241,25.694 38.241,35.074 26.622,35.074 26.622,38.85 18.7,38.85 18.7,28.905 33.27,28.905
+9V on Mid Layer 2 "Layer 2-No Net" (solid, pour order 55): 52.625,39.5 56.991,39.5 56.991,50.6 46.501,50.6 46.501,39.5 38.5,39.5 38.5,25.425 33.3,25.425 33.3,18.135 23.7,18.135 23.7,14.605 44.211,14.605 44.211,29.303 52.625,29.303
GND on Mid Layer 2 "GND_L03_P060" (solid, pour order 60): 56.991,70.1 61.2,70.1 61.2,71.6 105,71.6 105,64.6 111,64.6 111,0 0,0 0,64.6 6,64.6 6,71.6 42.9,71.6 42.9,70.1 47,70.1 47,57.675 2.5,57.675 2.5,5.3 86.249,5.3 86.249,3.414 108.175,3.414 108.175,55.443 102.114,55.443 102.114,63 56.991,63
GND on Mid Layer 1 "GND_L02_P054" (solid, pour order 54): 0,64.6 6,64.6 6,71.6 105,71.6 105,64.6 111,64.6 111,-3.4 0,-3.4
GND on Bottom Layer "GND_L04_P053" (solid, pour order 53): 0,0 0,64.6 6,64.6 6,71.6 105,71.6 105,64.6 111,64.6 111,0
GND on Top Layer "GND_L01_P052" (solid, pour order 52): 0,0 0,64.6 6,64.6 6,71.6 105,71.6 105,64.6 111,64.6 111,0

## Keep-outs
Keep-Out Layer:
  lines w0.1: 47,71.6 6,71.6 6,64.6 0,64.6 0,0 111,0 111,64.6 105,64.6 105,71.6 56.991,71.6 ; 47,71.6 47,57.6 56.991,57.6 56.991,71.6 ; 47,71.6 47,71.6 ; 56.991,71.6 56.991,71.6

## Silkscreen, mask and mechanical layers (free items; w line width, h text height)
Mechanical 3:
  lines w2: -1,7.5 -1,0 ; -1,14 -1,50.6 ; -1,57.1 -1,64.6 ; 7.5,-1 0,-1 ; 14,-1 52.25,-1 ; 21.25,72.6 6,72.6 ; 27.75,72.6 42.9,72.6 ; 43.9,71.1 47,71.1 ; 58.75,-1 97,-1 ; 79.85,72.6 61.2,72.6 ; 86.35,72.6 105,72.6 ; 103.5,-1 111,-1 ; 112,7.5 112,0 ; 112,14 112,50.6 ; 112,57.1 112,64.6 ; -1,0 ccw(c0,0) 0,-1 ; -1,0 ccw(c0,0) 0,-1 ; -1,64.6 cw(c0,64.6) 0,65.6 ; -1,64.6 cw(c0,64.6) 0,65.6 ; 0,65.6 5,65.6 5,71.6 ; 5,71.6 cw(c6,71.6) 6,72.6 ; 5,71.6 cw(c6,71.6) 6,72.6 ; 42.9,72.6 cw(c42.9,71.6) 43.9,71.6 ccw(c42.9,71.6) 42.9,72.6 ; 47,71.1 cw(c47,70.1) 48,70.1 ; 47,71.1 cw(c47,70.1) 48,70.1 ; 48,70.1 48,58.6 55.991,58.6 55.991,70.1 ; 55.991,70.1 cw(c56.991,70.1) 56.991,71.1 ; 55.991,70.1 cw(c56.991,70.1) 56.991,71.1 ; 56.991,71.1 60.2,71.1 60.2,71.6 ; 60.2,71.6 cw(c61.2,71.6) 61.2,72.6 ; 60.2,71.6 cw(c61.2,71.6) 61.2,72.6 ; 105,72.6 cw(c105,71.6) 106,71.6 ; 105,72.6 cw(c105,71.6) 106,71.6 ; 106,71.6 106,65.6 111,65.6 ; 111,-1 ccw(c111,0) 112,0 ; 111,-1 ccw(c111,0) 112,0 ; 111,65.6 cw(c111,64.6) 112,64.6 ; 111,65.6 cw(c111,64.6) 112,64.6
Route Tool Path:
  lines w2: -1,7.5 -1,0 ; -1,14 -1,50.6 ; -1,57.1 -1,64.6 ; 7.5,-1 0,-1 ; 14,-1 52.25,-1 ; 21.25,72.6 6,72.6 ; 27.75,72.6 42.9,72.6 ; 58.75,-1 97,-1 ; 79.85,72.6 61.2,72.6 ; 86.35,72.6 105,72.6 ; 103.5,-1 111,-1 ; 112,7.5 112,0 ; 112,14 112,50.6 ; 112,57.1 112,64.6 ; -1,0 ccw(c0,0) 0,-1 ; -1,0 ccw(c0,0) 0,-1 ; -1,64.6 cw(c0,64.6) 0,65.6 ; -1,64.6 cw(c0,64.6) 0,65.6 ; 0,65.6 5,65.6 5,71.6 ; 5,71.6 cw(c6,71.6) 6,72.6 ; 5,71.6 cw(c6,71.6) 6,72.6 ; 42.9,72.6 cw(c42.9,71.6) 43.9,71.6 ; 42.9,72.6 cw(c42.9,71.6) 43.9,71.6 ; 43.9,71.6 43.9,71.1 47,71.1 ; 47,71.1 cw(c47,70.1) 48,70.1 ; 47,71.1 cw(c47,70.1) 48,70.1 ; 48,70.1 48,58.6 55.991,58.6 55.991,70.1 ; 55.991,70.1 cw(c56.991,70.1) 56.991,71.1 ; 55.991,70.1 cw(c56.991,70.1) 56.991,71.1 ; 56.991,71.1 60.2,71.1 60.2,71.6 ; 60.2,71.6 cw(c61.2,71.6) 61.2,72.6 ; 60.2,71.6 cw(c61.2,71.6) 61.2,72.6 ; 105,72.6 cw(c105,71.6) 106,71.6 ; 105,72.6 cw(c105,71.6) 106,71.6 ; 106,71.6 106,65.6 111,65.6 ; 111,-1 ccw(c111,0) 112,0 ; 111,-1 ccw(c111,0) 112,0 ; 111,65.6 cw(c111,64.6) 112,64.6 ; 111,65.6 cw(c111,64.6) 112,64.6